# Altium PCB iWatch.PcbDoc
Units mil, origin at the board's own origin, x right, y up, seen from the top; angles counter-clockwise.
Board outline 1488.96 x 1437.01 mil, 2 copper layers (Top Layer, Bottom Layer), stack 42.17 mil thick; 57 components, 65 nets, 265 pads, 66 vias.
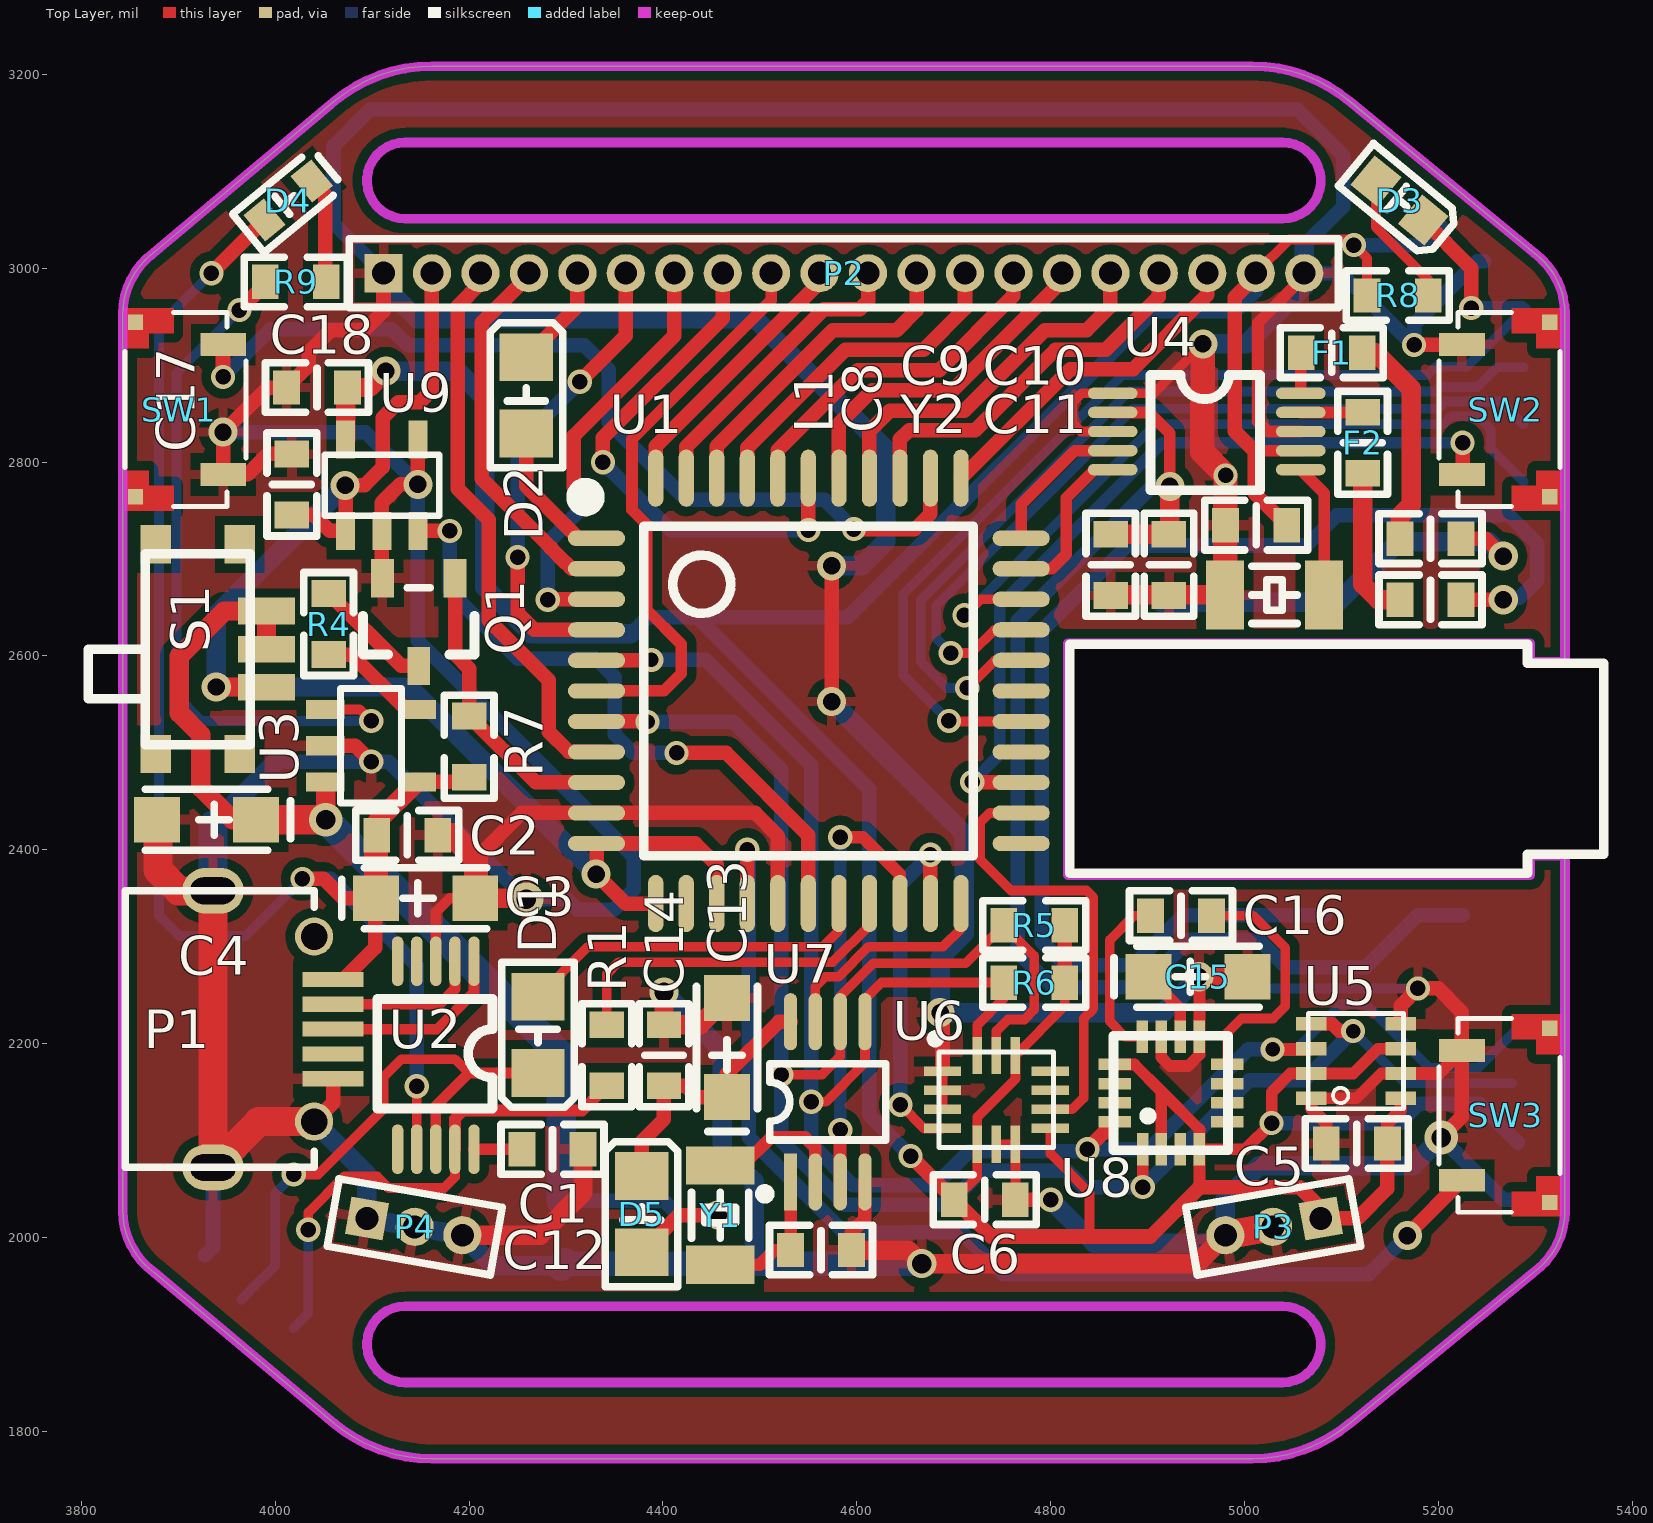
[diagram p0: Top Layer view]
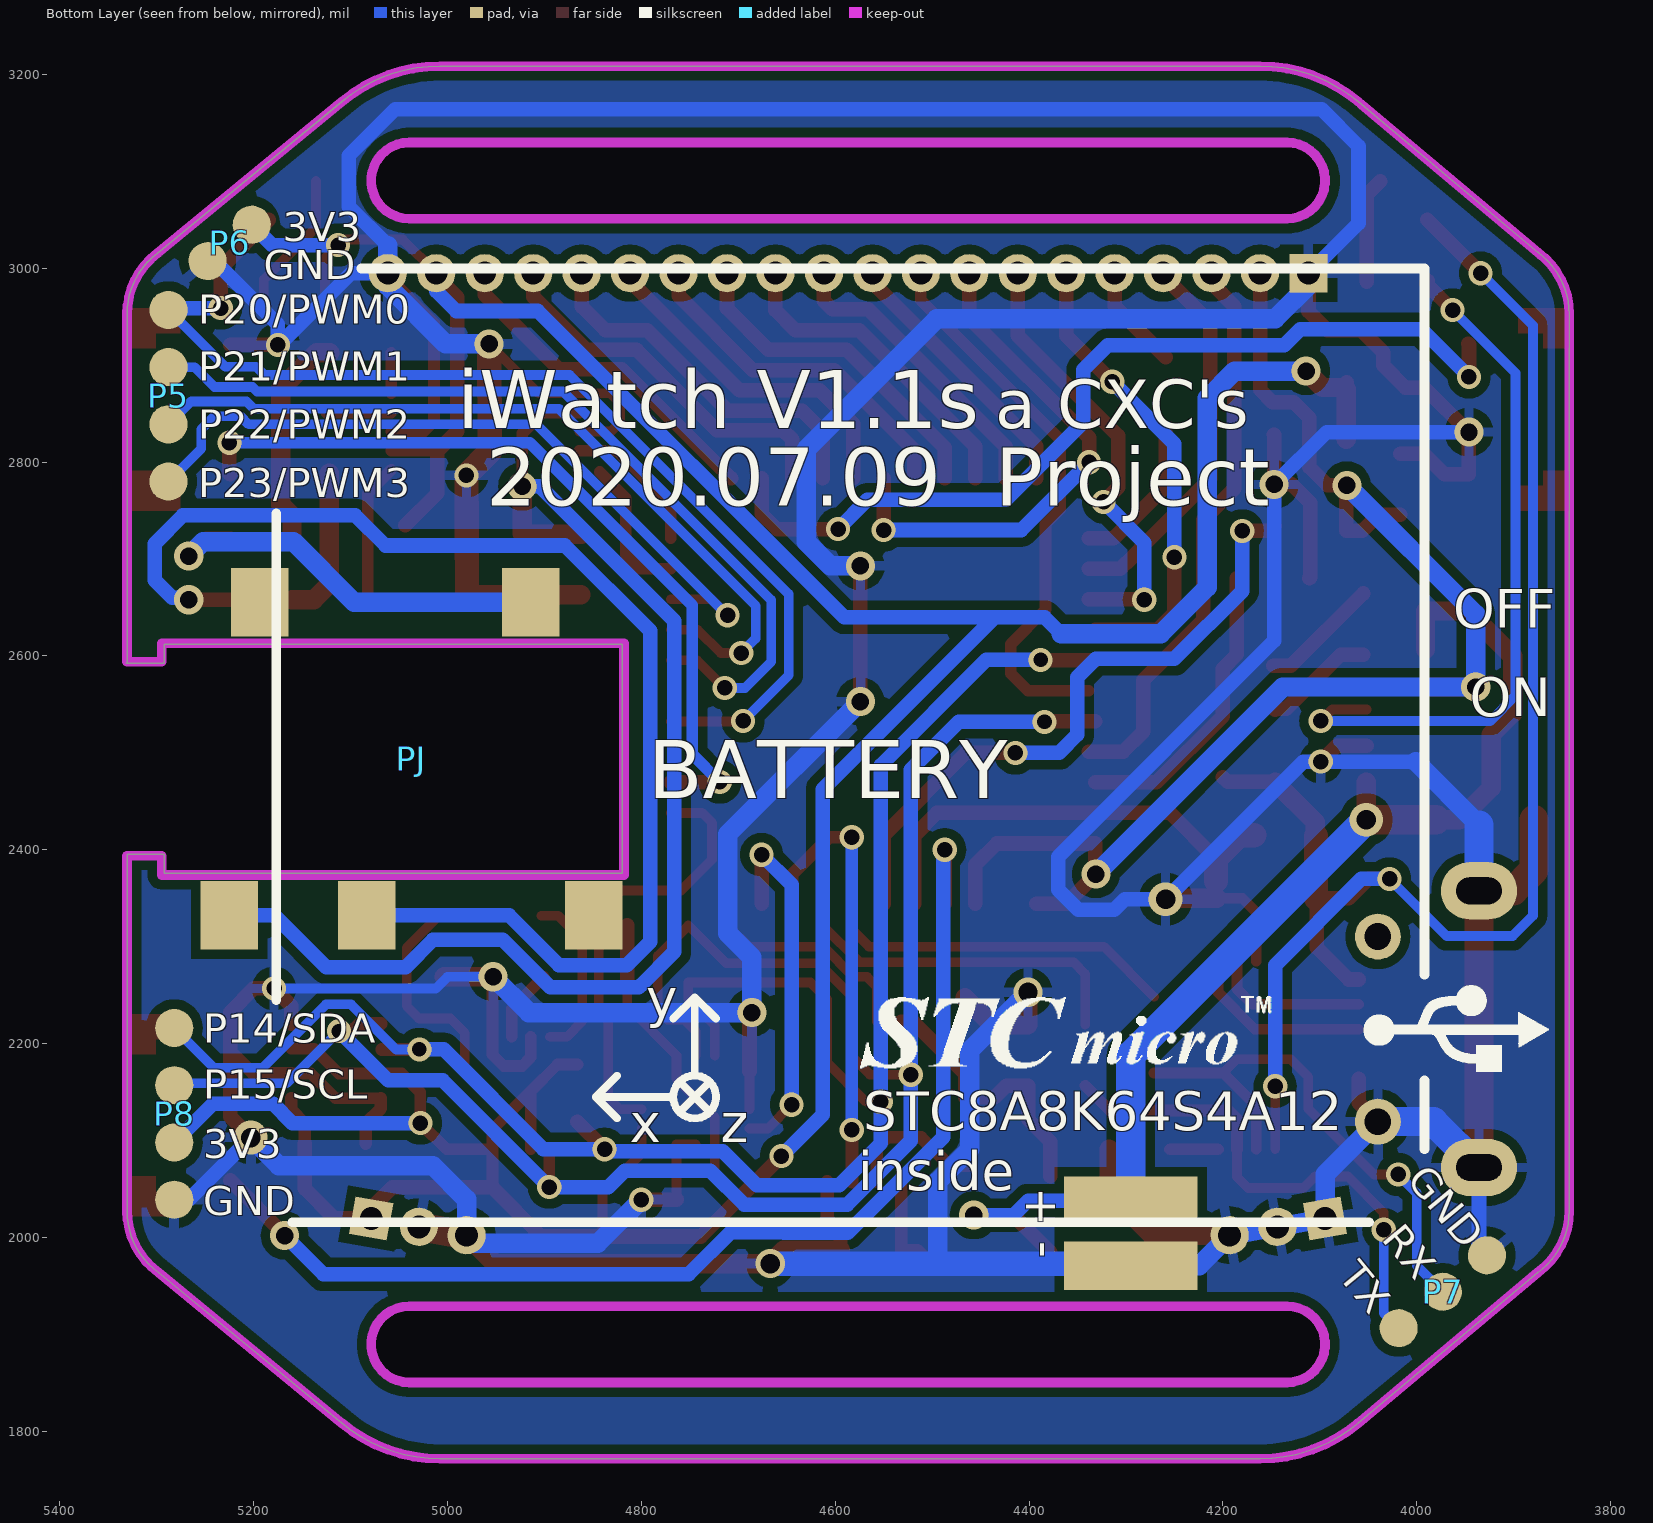
[diagram p1: Bottom Layer view, seen from below]
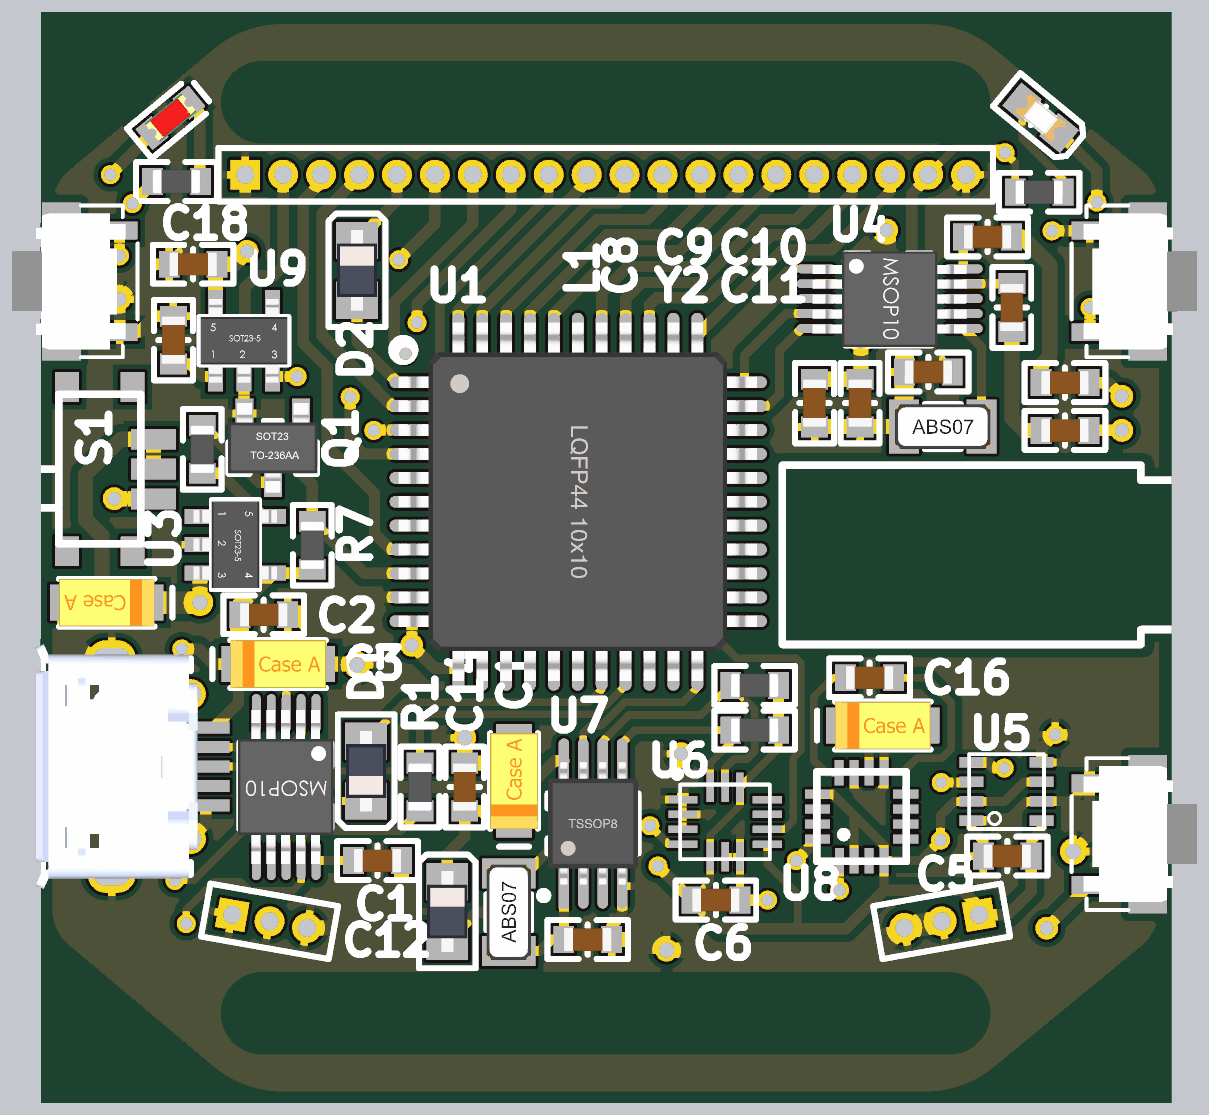
[diagram p2: 3D render of the assembled board from above, using the file's embedded part models]

## Layer stack, top to bottom
Top Solder: solder mask 0.4, Solder Resist, Dk 3.5
Top Layer: signal copper 1.4
Dielectric 1: dielectric 39.3701, FR-4, Dk 4.8
Bottom Layer: signal copper 1.4
Bottom Solder: solder mask 0.4, Solder Resist, Dk 3.5

## Board outline
3874.98,1963.86 4060.2,1808.5 4060.19,1808.5 ccw(c4161.42,1929.13) 4161.42,1771.65 5008,1771.65 5007.87,1771.65 ccw(c5007.87,1929.13) 5109.1,1808.5 5298.27,1963.86 5298.25,1963.86 ccw(c5251.97,2027.56) 5330.71,2027.56 5330.71,2395.57 5292.11,2395.57 5292.11,2375.89 4819.67,2375.89 4819.67,2612.11 5292.11,2612.11 5292.11,2592.43 5331.48,2592.43 5330.71,2593.2 5330.71,2952.76 ccw(c5251.97,2952.76) 5299.36,3015.64 5299.37,3015.63 5109.1,3171.82 ccw(c5007.87,3051.18) 5007.87,3208.66 4161.42,3208.66 ccw(c4161.42,3051.18) 4060.19,3171.82 3874.96,3016.46 3874.98,3016.46 ccw(c3921.26,2952.76) 3842.52,2952.76 3842.52,2027.56 ccw(c3921.26,2027.56)
cut-out: 4133.86,3051.18 cw(c4133.86,3090.55) 4133.86,3129.92 5039.37,3129.92 cw(c5039.37,3090.55) 5039.37,3051.18
cut-out: 4133.86,1850.39 cw(c4133.86,1889.76) 4133.86,1929.13 5039.37,1929.13 cw(c5039.37,1889.76) 5039.37,1850.39

## Design rules (kind name [scope] priority, off if disabled: settings)
Clearance [All] p1: gap=10 except(0: SMDPad-Region; 5: Track-Track Track-SMDPad SMDPad-SMDPad)
ComponentClearance [All] p1 off: gap=10 collisioncheckmode=3 verticalgap=10 showdistances=FALSE
PolygonConnect [All] p1: connectstyle=Relief reliefconductorwidth=10 reliefentries=4 polygonreliefangle="90 Angle" airgapwidth=10
RoutingVias [All] p1: holewidth=28 width=50 viastyle="Through Hole" minholewidth=28 minwidth=50 maxholewidth=28 maxwidth=50
SolderMaskExpansion [All] p1: expansion=4
Width [All] p1: maxlimit=30 minlimit=10 preferedwidth=15
29 further rules are at their usual default settings.

## Components (designator, comment, footprint, x,y, rotation, side; value= is the part's Value field where it differs from the comment)
C1 "0.1uF" C-0603-M 4286,2091 r0 top
C2 "0.1uF" C-0603-M 4136,2415 r0 top
C3 "47uF" C-钽电容-3216-N 4155,2350 r180 top
C4 "10uF" C-钽电容-3216-N 3929,2431 r0 top
C5 "0.1uF" C-0603-M 5116,2097 r180 top
C6 "0.1uF" C-0603-M 4732,2039 r0 top
C8 "22pF" C-0603-M 4922,2694 r270 top
C9 "22nF" C-0603-M 5012,2735 r180 top
C10 "22uF" C-0603-M 5192,2721 r180 top
C11 "22uF" C-0603-M 5192,2658 r180 top
C12 "15pF" C-0603-M 4563,1987 r0 top
C13 "1uF" C-钽电容-3216-N 4466,2196 r270 top
C14 "0.1uF" C-0603-M 4401,2188 r90 top
C15 "4.7uF" C-钽电容-3216-N 4952,2269 r180 top
C16 "0.22uF" C-0603-M 4934.5,2332 r0 top
C17 "1uF" C-0603-M 4017,2777 r90 top
C18 "1uF" C-0603-M 4043,2877 r180 top
D1 "1N4148" SOD-323/0805 4271,2209 r90 top
D2 "1N4148" SOD-323/0805 4259,2869 r270 top
D3 "LED" LED-0603-white-M 5160,3070 r140.5 top
D4 "LED" LED-0603-Red-N 4013.23,3070 r219.5 top
D5 "1N4148" SOD-323/0805 4378,2024 r270 top
F1 "600R@100MHz" C-0603-M 5090,2913 r0 top
F2 "600R@100MHz" C-0603-M 5122,2820 r270 top
L1 "100nH" C-0603-M 4862,2694 r90 top
P1 "MICRO USB" MICRO-USB-牛角插板-无卷边 4040,2215 r90 top
P2 "MHDR1X20" MHDR1X20 4111.61,2995 r0 top
P3 "MHDR1X3" MHDR1X3 5078.74,2019.68 r190 top
P4 "MHDR1X3" MHDR1X3 4094.49,2019.68 r350 top
P5 "MHDR1X4" "MHDR1X4 - SMT" 5288,2957.11 r270 bottom
P6 "MHDR1X2" "MHDR1X2 - SMT" 5247.57,3007.44 r140.5 bottom
P7 "MHDR1X3" "MHDR1X3 - SMT" 3927.43,1981.56 r320.5 bottom
P8 "MHDR1X4" "MHDR1X4 - SMT" 5282,2038.94 r90 bottom
PJ "Phonejack 327A" "PJ-327A - 嵌入" 5174,2494 r180 top
Q1 "NMOS" SOT-23 4148,2635 r90 top
R1 "0" R-0603-M 4342,2188 r90 top
R4 "2k" R-0603-M 4055,2633 r270 top
R5 "2k" R-0603-M 4783,2322 r0 top
R6 "2k" R-0603-M 4783,2263 r0 top
R7 "4.7k" R-0603-M 4200,2506.5 r270 top
R8 "330" R-0603-M 5158,2972 r180 top
R9 "1k" R-0603-M 4021,2986 r180 top
S1 "SS-12F23" MK-12C02 3920,2607 r270 top
SW1 "TSW" "SB-2*4*3.5 - no hole" 3895,2854.33 r90 top
SW2 "TSW" "SB-2*4*3.5 - no hole" 5275.59,2854.33 r270 top
SW3 "TSW" "SB-2*4*3.5 - no hole" 5275.59,2125.98 r270 top
U1 "STC8A8K64S4A12_LQFP44" "LQFP44 10X10_L" 4550,2564 r270 top
U2 "CH340E" MSOP10 4205,2285 r270 top
U3 "XT4054" SOT23-5 4051.51,2544.8 r270 top
U4 "RDA5807M" MSOP10 4864,2871 r0 top
U5 "BME280" LGA-8 5115,2182 r180 top
U6 "LSM6DSM" LGA-14L 4744,2142 r0 top
U7 "PCF8563" TSSOP8_M 4570,2140 r90 top
U8 "HMC5883L" HMC5883L 4924,2149 r90 top
U9 "TPS78233" SOT23-5 4072.6,2729 r0 top
Y1 "32.768khz" FC135 4459,2023 r90 top
Y2 "32.768khz" FC135 5031,2663 r0 top

## Footprints (in the part's own frame and the unit in brackets; to place one, negate y for a bottom-side part, rotate by r counter-clockwise, add the part's x,y. Pads: shape width x height; smd on the part's side, far side on the other; paste and mask are expansions set on the pad)
C-0603-M [mm]
  rect 0.7x0.9 smd: 1(-0.8,0) 2(0.8,0)
  silkscreen extent -1.35,-0.65 1.35,0.65, body extent -0.8,-0.4 0.8,0.4, height 0.6
C-钽电容-3216-N [mm]
  rect 1.2x1.2 smd: 1(1.3,0) 2(-1.3,0)
  silkscreen extent -1.6,-0.8 2.2,0.8, body extent -1.6,-0.8 1.6,0.8, height 1.61
FC135 [mm] "贴片晶振"
  rect 1x1.8 smd: 1(-1.3,0) 2(1.3,0)
  silkscreen extent -0.6,-0.75 0.6,0.75, body extent -1.61,-0.76 1.61,0.76, height 1.01
HMC5883L [mm] "高精度三轴磁力计"
  rect 0.85x0.3 smd: 1(-1.475,0.737) 2(-1.475,0.25) 3(-1.475,-0.25) 4(-1.475,-0.75) 9(1.475,-0.75) 10(1.475,-0.25) 11(1.475,0.25) 12(1.475,0.75)
  rect 0.3x0.85 smd: 5(-0.75,-1.475) 6(-0.25,-1.475) 7(0.25,-1.475) 8(0.75,-1.475) 13(0.75,1.475) 14(0.25,1.475) 15(-0.25,1.475) 16(-0.75,1.475)
  silkscreen extent -1.5,-1.5 1.5,1.5
LED-0603-Red-N [mm]
  rect 0.7x0.9 smd: 1(0.8,0) 2(-0.8,0)
  silkscreen extent -1.35,-0.65 1.35,0.65, body extent -0.81,-0.4 0.81,0.4, height 0.6
LED-0603-white-M [mm]
  rect 0.9x1 smd: 1(0.8,0) 2(-0.8,0)
  silkscreen extent -1.48,-0.72 1.48,0.72, body extent -0.8,-0.4 0.8,0.4, height 0.6
LGA-8 [mm] "2.5mm x 2.5mm x 0.93mm metal lid LGA"
  rect 0.8x0.35 smd: 1(1.175,0.975) 2(1.175,0.325) 3(1.175,-0.325) 4(1.175,-0.975) 5(-1.175,-0.975) 6(-1.175,-0.325) 7(-1.175,0.325) 8(-1.175,0.975)
  silkscreen extent -1.25,-1.25 1.25,1.25
LGA-14L [mm] "2.5mm x 3.0mm x 0.86mm"
  rect 0.975x0.25 smd: 1(-1.412,0.75) 2(-1.412,0.25) 3(-1.412,-0.25) 4(-1.412,-0.75) 8(1.412,-0.75) 9(1.412,-0.25) 10(1.412,0.25) 11(1.412,0.75)
  rect 0.25x0.975 smd: 5(-0.5,-1.163) 6(0,-1.163) 7(0.5,-1.163) 12(0.5,1.163) 13(0,1.163) 14(-0.5,1.163)
  silkscreen extent -1.7,-1.25 1.5,1.7
"LQFP44 10X10_L" [mm] "44脚，体宽10x10mm，脚距0.8mm"
  oval 0.4x1.5 smd: 1(-4,-5.551) 2(-3.2,-5.551) 3(-2.4,-5.551) 4(-1.6,-5.551) 5(-0.8,-5.551) 6(0,-5.551) 7(0.8,-5.551) 8(1.6,-5.551) 9(2.4,-5.551) 10(3.2,-5.551) 11(4,-5.551) 23(4,5.578) 24(3.2,5.578) 25(2.4,5.578) 26(1.6,5.578) 27(0.8,5.578) 28(0,5.578) 29(-0.8,5.578) 30(-1.6,5.578) 31(-2.4,5.578) 32(-3.2,5.578) 33(-4,5.578)
  oval 1.5x0.4 smd: 12(5.575,-4) 13(5.575,-3.2) 14(5.575,-2.4) 15(5.575,-1.6) 16(5.575,-0.8) 17(5.575,0) 18(5.575,0.8) 19(5.575,1.6) 20(5.575,2.4) 21(5.575,3.2) 22(5.575,4) 34(-5.575,4) 35(-5.575,3.2) 36(-5.575,2.4) 37(-5.575,1.6) 38(-5.575,0.8) 39(-5.575,0) 40(-5.575,-0.8) 41(-5.575,-1.6) 42(-5.575,-2.4) 43(-5.575,-3.2) 44(-5.575,-4)
  silkscreen extent -5.33,-6.09 4.32,4.32, body extent -6,-6 6,6, height 1.45
"MHDR1X2 - SMT" [mm] "Connector; Header; 2 Position"
  round 1 smd: 1(0,0) 2(1.5,0)
MHDR1X3 [mm] "Connector; Header; 3 Position"
  rect 1x1 hole 0.6: 1(0,0)
  round 1 hole 0.6: 2(1.27,0) 3(2.54,0)
  silkscreen extent -0.9,-0.9 3.44,0.9
"MHDR1X3 - SMT" [mm] "Connector; Header; 3 Position"
  round 1 smd: 1(0,0) 2(1.5,0) 3(3,0)
"MHDR1X4 - SMT" [mm] "Connector; Header; 4 Position"
  round 1 smd: 1(0,0) 2(1.5,0) 3(3,0) 4(4.5,0)
MHDR1X20 [mm] "Connector; Header; 20 Position"
  rect 1x1 hole 0.6: 1(0,0)
  round 1 hole 0.6: 2(1.27,0) 3(2.54,0) 4(3.81,0) 5(5.08,0) 6(6.35,0) 7(7.62,0) 8(8.89,0) 9(10.16,0) 10(11.43,0) 11(12.7,0) 12(13.97,0) 13(15.24,0) 14(16.51,0) 15(17.78,0) 16(19.05,0) 17(20.32,0) 18(21.59,0) 19(22.86,0) 20(24.13,0)
  silkscreen extent -0.9,-0.9 25.03,0.9
MICRO-USB-牛角插板-无卷边 [mm]
  rect 0.4x1.6 smd: 1(1.3,-0.5) 2(0.65,-0.5) 3(0,-0.5) 4(-0.65,-0.5) 5(-1.3,-0.5)
  oval 1.2x1.6 / inner oval 1.5x2 / far side oval 1.5x2 hole 0.7 slot 1.2 at 90 deg: 6(-3.625,2.65) 6(3.625,2.65)
  round 1 / inner round 1 / far side round 1.2 hole 0.7: 6(-2.425,0) 6(2.425,0)
  silkscreen extent -3.62,0 3.62,4.95, body extent -4.1,-0.23 4.1,5.2, height 2.68
MK-12C02 [mm] "七脚小拨动开关"
  rect 1x0.8 smd: 0(-2.75,1.1) 0(-2.75,-1.1) 0(2.75,1.1) 0(2.75,-1.1)
  rect 0.7x1.5 smd: 1(1,1.8) 2(0,1.8) 3(-1,1.8)
  silkscreen extent -2.5,-2.88 2.5,1.38
MSOP10 [mm] "VSOP8"
  oval 1.3x0.3 smd: 1(0,0) 2(0,-0.5) 3(0,-1) 4(0,-1.5) 5(0,-2) 6(4.928,-2) 7(4.928,-1.5) 8(4.928,-1) 9(4.928,-0.5) 10(4.928,0)
  silkscreen extent 0.99,-2.54 3.86,0.48, body extent -0.11,-2.62 5.04,0.58, height 1.09
"PJ-327A - 嵌入" [mm] "3.5mm贴片耳机插座"
  rect 1.5x1.8 smd far side: 2(6.6,-4.1) 3(-0.5,-4.1) 4(-1.3,4.1) 5(2.3,4.1) 6(8.25,4.1)
  silkscreen extent -5,-3 9,3
R-0603-M [mm]
  rect 0.7x0.9 smd: 1(-0.8,0) 2(0.8,0)
  silkscreen extent -1.35,-0.65 1.35,0.65, body extent -0.8,-0.4 0.8,0.4, height 0.38
"SB-2*4*3.5 - no hole" [mm] "贴片侧贴轻触开关"
  rect 0.4x0.4 smd: 0(-2.286,1) 0(2.286,1)
  rect 0.6x1.2 smd: 1(-1.7,-1.3) 2(1.7,-1.3)
  Top Layer region: -2.65,0 -2.65,1.3 -1.6,1.3 -1.6,0.65 -2,0.65 -2,0
  Top Layer region: 2.65,0 2.65,1.3 1.6,1.3 1.6,0.65 2,0.65 2,0
  silkscreen extent -2.54,-1.9 2.54,1.27, body extent -2.27,-1.5 2.27,2.29, height 1.8
SOD-323/0805 [mm]
  rect 1.25x1.4 smd: 1(1,0) 2(-1,0)
  silkscreen extent -1.9,-0.95 1.9,0.95, body extent -1.35,-0.68 1.35,0.67, height 0.79
SOT23-5 [mm]
  rect 0.5x1 smd: 1(0,0) 2(0.95,0) 3(1.9,0) 4(1.9,2.4) 5(0,2.4)
  silkscreen extent -0.55,0.4 2.45,2, body extent -0.5,-0.2 2.4,2.6, height 1.09
SOT-23 [mm]
  rect 1x0.6 smd: 1(1.15,-0.95) 2(1.15,0.95) 3(-1.15,0)
  silkscreen extent -0.85,-1.46 0.9,1.46, body extent -1.5,-1.5 1.5,1.5, height 1.3
TSSOP8_M [mm] "3*4.2*1mm（长宽高）"
  rect 1.5x0.35 smd: 1(-2.1,0.975)
  oval 1.5x0.35 smd: 2(-2.1,0.325) 3(-2.1,-0.325) 4(-2.1,-0.975) 5(2.1,-0.975) 6(2.1,-0.325) 7(2.1,0.325) 8(2.1,0.975)
  silkscreen extent -2.54,-1.52 1,1.78, body extent -2.05,-1.5 2.05,1.5, height 1.03

## Part data
C1 C2 C5 C6 C8 C9 C10 C11 C12 C14 C16 C17 C18: library part Cap, "陶瓷电容"
C3 C4 C13 C15: library part Cap2, "电解电容"
D1 D2 D5: "高速开关二极管"
D3 D4: "Typical RED, GREEN, YELLOW, AMBER GaAs LED"
F1 F2: library part Inductance2
L1: library part Inductance1
P1: library part MICRO_USB, "MICRO USB接口"
P2: "Header, 20-Pin"
P3 P4 P7: "Header, 3-Pin"
P5 P8: "Header, 4-Pin"
P6: "Header, 2-Pin"
Q1: "N沟道场效应管"
R1 R4 R5 R6 R7 R8 R9: library part Resistor, "Resistor"
S1: library part SSW-1P, "1路波动开关"
SW1 SW2 SW3: "3x6轻触开关"
U2: "USB转串口，免外部晶振，超小封装"
U3: "锂电池充电ic"
U4: "数字收音机芯片"
U5: "Combined humidity and pressure sensor"
U6: "always-on 3D accelerometer and 3D gyroscope"
U7: library part PCF8563TS, "Real-Time Clock and calendar"
U8: "高精度三轴磁力计"
U9: "LDO-3.3v"
Y1 Y2: library part XTAL, "Crystal Oscillator"

## Free pads (board coordinates)
  rect 137.8x50 smd far side: 2(4295,1971) 2(4295,2038)

## Via types
v1: diameter 25, hole 16, Top Layer to Bottom Layer, 41 vias
v2: diameter 30, hole 18, Top Layer to Bottom Layer, 16 vias
v3: diameter 25, hole 15, Top Layer to Bottom Layer, 4 vias
v4: diameter 35, hole 20, Top Layer to Bottom Layer, 3 vias
v5: diameter 30, hole 20, Top Layer to Bottom Layer, 2 vias

## Nets (pads, with @x,y where several pads share a name; then routed paths per layer and width w, separated by ;. In a path a pad name is that pad's centre, name@x,y a point inside that pad or via, vN(x,y) a via of type N, cw(c..) or ccw(c..) an arc to the next point about the centre after c; other vN are vias at no path point)
3V3: C5.1 C6.1 C9.1 C18.1 P2.19 P3.1 P6.2 P8.2 R5.2 R6.2 R8.2 U4.7 U5.2 U5.6 U5.8 U6.5 U6.8 U6.12 U8.2 U8.4 U8.13 U9.5 | length 4567.6
  Top Layer w10: C6.1 4724.31,2062.81 U6.5 4724.31,2124.32 4763.69,2163.68 U6.12 4814.5,2238.6 R6.2 ; U6.8 4799.59,2086.52 4840,2046.11 4840,2001 ; P2.19 5046.3,3029.69 5107.31,3029.69 v1(5113,3024) 5126.5,3010.5 R8.2
  Top Layer w12: U8.13 4886.47,2178.53 4914.16,2150.84 ; U8.2 4914.16,2150.84 ; 4953.53,2052.47 U8.4 ; 5010.06,2811.94 U4.7 ; U5.6 5137.8,2194.8 5112.2,2169.2 U5.2 5047.2,2169.2 5028,2150 v1(5028,2118) 5000.93,2090.93 U8.4 ; 4914.16,2150.84 4953.53,2111.47 U8.4
  Top Layer w13: C5.1 5147.5,2117.5 5161.26,2131.26 U5.8
  Top Layer w15: C18.1@4072,2882.5 C18.1@4072.6,2881.9 ; C18.1@4072.6,2875.1 C18.1 ; v1(4655.5,2084) C6.1 4738.5,2001 4840,2001 4903,2001 4954,2052 ; R6.2 R5.2 ; 4953.53,2052.47 4954,2052 ; P2.19@5010,2990 4990,2970 4990,2832 5010.06,2811.94 5010.79,2811.21 5010.79,2767.7 C9.1 ; P2.19 P2.19@5011.61,2997.59 ; P3.1 5116.69,2019.68 5147.5,2050.5 C5.1 ; P3.1@5078.74,2030.26 5057,2052 4954,2052
  Top Layer w20: U9.5 C18.1@4072.6,2875.1 ; C18.1 4097,2877 v2(4114,2894) ; P3.1 P3.1@5078.74,2030.26
  Bottom Layer w15: 4367,2623 4384,2640 4435.36,2640 ; v1(4655.5,2084) 4613,2126.5 4613,2462.36 4435.36,2640 ; P2.19 5011.61,2976.61 4991,2956 4906.85,2956 4590.85,2640 4435.36,2640 ; v1(5028,2118) 5160,2118 5180,2138 5242,2138 P8.2 ; v1(5113,3024) 5181,3024 P6.2
  Bottom Layer w20: v2(4114,2894) 4188,2894 4216,2866 4216,2671 4264,2623 4367,2623
3V3-EN: U1.17 U9.3 | length 674.6
  Top Layer w15: U9.3@4147,2734.4 U9.3@4147.4,2734 ; U9.3 v1(4180,2729) ; v1(4414,2500) 4465,2500 4550,2415 U1.17
  Bottom Layer w15: v1(4180,2729) 4180,2667 4250,2597 4331,2597 4350,2578 4350,2519 4369,2500 v1(4414,2500)
BUZZER: P2.18 U1.34 | length 354.9
  Top Layer w15: U1.34 4820.01,2896 4885,2896 4961.61,2972.61 P2.18
CHARGE-EN: Q1.1 R7.1 U1.9 | length 308.2
  Top Layer w15: Q1.1 4185.4,2601.6 4200,2587 R7.1 4268.49,2469.51 U1.9
D0: P2.17 U1.36 | length 392.5
  Top Layer w15: U1.36 4644.49,2823.49 4654,2833 4722,2833 4805,2916 4857,2916 4911.61,2970.61 P2.17
D1: P2.16 U1.37 | length 384.8
  Top Layer w15: U1.37 4612.99,2831.99 4634,2853 4711,2853 4794,2936 4837,2936 4861.61,2960.61 P2.16
D2: P2.15 U1.38 | length 355.5
  Top Layer w15: U1.38 4581.5,2839.5 4616,2874 4699,2874 4811.61,2986.61 P2.15
D3: P2.14 U1.40 | length 361.4
  Top Layer w15: U1.40 4518.5,2812.5 4601,2895 4685,2895 4761.61,2971.61 P2.14
D4: P2.13 U1.41 | length 352
  Top Layer w15: U1.41 4487.01,2815.01 4588,2916 4669,2916 4711.61,2958.61 P2.13
D5: P2.12 U1.42 | length 335.6
  Top Layer w15: U1.42 4455.51,2816.51 4575,2936 4641,2936 4661.61,2956.61 P2.12
D6: P2.11 U1.43 | length 310.9
  Top Layer w15: U1.43 4424.02,2816.02 4565.81,2957.81 4602.81,2957.81 4611.61,2966.61 P2.11
D7: P2.10 U1.44 | length 281.6
  Top Layer w15: U1.44 4392.52,2816.52 4561.61,2985.61 P2.10
D/C\: P2.7 U1.3 | length 461.2
  Top Layer w15: v1(4281,2658) 4281.49,2658.49 U1.3 U1.3@4338.46,2658.49 ; v1(4323,2759) 4308,2774 4308,2827 4411.61,2930.61 P2.7
  Bottom Layer w15: v1(4281,2658) 4281,2717 v1(4323,2759)
E/R\D\: P2.9 U1.6 | length 581.6
  Top Layer w12: U1.6@4338.46,2564 4401,2564 4419,2582 4419,2612 4383,2648 4383,2736 4368,2751 4368,2823.59 4511.61,2967.21 P2.9
E\N\: P2.3 U1.8 | length 586.9
  Top Layer w15: P2.3 4211.61,2984.61 4188,2961 4188,2772.64 4220,2740.64 4220,2637 4282,2575 4282,2522 4302.99,2501.01 U1.8 U1.8@4338.46,2501.01
GND: C1.2 C2.2 C3.2 C4.2 C5.2 C6.2 C8.2 C9.2 C12.2 C13.2 C14.2 C15.2 C17.2 C18.2 L1.1 P1.5 P1.6@3935.67,2072.28 P1.6@3935.67,2357.72 P1.6@4040,2119.53 P2.1 P2.20 P3.2 P3.3 P4.1 P4.2 P4.3 P6.1 P7.1 P8.1 pad.2@4295,1971 Q1.2 SW1.1 SW2.1 SW3.1 U1.10 U1.16 U2.3 U3.2 U4.1 U4.3 U4.8 U5.1 U5.5 U5.7 U6.1 U6.2 U6.3 U6.6 U6.7 U7.4 U8.9 U8.11 U9.2 U9.4 Y2.1 | length 11176.1
  Top Layer w10: U6.3 U6.2 U6.1 ; U6.6 U6.7 C6.2@4763.69,2039.19 ; U4.3 4831.37,2831.63 4822,2841 4822,2861 4832,2871 U4.1 4906,2871 v2(4957,2922)
  Top Layer w11: U2.3 4165.63,2335.63 4180,2350 C3.2
  Top Layer w12: U8.11 4914.16,2185.84 4923,2177 4942,2177 4953.53,2188.53 U8.9 v2@4953.53,2268.47 ; U4.8 5024.37,2831.63 5014,2842 5014,2944 P2.20@5063.31,2993.31 ; U5.1 5115.61,2143.61 5141.2,2169.2 U5.7
  Top Layer w13: U5.1 5068.74,2133.26 5084.5,2117.5 C5.2 ; U5.7 5200.7,2169.2 SW3.1
  Top Layer w14: C12.2 4594.5,2005.5 4608.39,2019.39 U7.4
  Top Layer w15: C17.2 3992.5,2808.5 3971.4,2787.4 SW1.1 3946.18,2830.82 v2(3946,2831) 3992,2877 C18.2 4034.5,2900 4034.5,2913.5 4057,2936 4092,2936 4111.61,2955.61 P2.1 ; P1.6@4040,2119.53 4059.68,2139.21 P1.5 ; U3.2 4082.6,2507.4 v1(4099,2491) ; Q1.2 4110,2680.87 U9.2 4110,2758 4129,2777 v2(4147,2777) 4147,2828.09 U9.4@4147.4,2828.49 ; 4207.18,2390.82 4254.38,2438.02 U1.10 4494.98,2438.02 4518.5,2414.5 U1.16 ; v4@4258,2350 v4(4259,2349) ; v2(4574,2553) v2(4574,2693) ; v2(4686,2232) 4688.41,2229.59 U6.1 ; C6.2@4763.69,2039.19 C6.2 v1(4800,2039) ; v2(4953,2269) v2@4953.53,2268.47 ; U5.5 5161.26,2239.26 v1(5179,2257) 5200,2257 5224.41,2232.59 5224.41,2124.41 v4(5203,2103) ; v1(5175,2921) 5175.26,2921.26 SW2.1
  Top Layer w20: P4.3 4273.32,2002.32 4317.5,2046.5 C1.2 ; C3.2 v4@4258,2350 ; v5(4401,2253) C14.2 4438.31,2219.5 C13.2 ; C12.2 4653,1987 v5(4667,1973) 4950.94,1973 P3.3 ; L1.1@4862.5,2663 Y2.1 ; v2(4953,2269) C15.2
  Top Layer w25: C2.2 4183,2415 4207.18,2390.82 C3.2@4207.18,2368 ; v2(4957,2922) 4956.37,2810.79 v1(4980.52,2786.36) 4980.23,2735 Y2.1
  Top Layer w30: C4.2@3878.82,2431 3878.82,2379.18 3900.28,2357.72 3935.67,2357.72 3935.67,2072.28 3982.91,2119.53 P1.6@4040,2119.53 ; P3.3 P3.2
  Bottom Layer w10: v2(4953,2269) 5000,2269 5012,2257 v1(5179,2257)
  Bottom Layer w15: P7.1 3935.67,1989.8 P1.6@3935.67,2072.28 ; v2(3946,2831) 4093,2831 v2(4147,2777) 4147,2616 4370,2393 4370,2359 4349,2338 4312,2338 4301,2349 v4(4259,2349) 4117,2491 v1(4099,2491) 4001,2491 ; P2.1 4060,3046.61 4060,3126 4098,3164 5054.17,3164 5101.77,3116.4 5101.77,3063.77 5061.61,3023.61 ; pad.2@4299,1974 pad.2@4300,1973 ; P2.20 5099.57,2995 5173.57,2921 v1(5175,2921) 5175,2942.43 5240.01,3007.44 P6.1 ; v4(5203,2103) 5267.06,2038.94 P8.1
  Bottom Layer w20: 3935.67,2425.67 4001,2491 ; P1.6@4040,2119.53 4094.49,2065.04 P4.1 P4.2 P4.3 4224.29,1971 pad.2@4295,1971 ; P2.1 4111.61,2982.39 4146,2948 4495,2948 4630,2813 4630,2718.04 4604.96,2693 v2(4574,2693) ; v5(4401,2253) 4461.13,2192.87 4461.13,2090.87 4494,2058 4494,1973 ; v2(4574,2553) 4711,2416 4711,2314 4686,2289 v2(4686,2232) 4916,2232 v2(4953,2269) ; v1(4800,2039) 4845,1994 4971.94,1994 P3.3 4980.26,2039.26 5015,2074 5174,2074 v4(5203,2103) ; v2(4957,2922) 5002,2922 5061.61,2981.61 P2.20 5061.61,3023.61
  Bottom Layer w25: pad.2@4300,1973 v5(4667,1973)
  Bottom Layer w30: P1.6@3935.67,2072.28 3982.91,2119.53 P1.6@4040,2119.53 ; P1.6@3935.67,2357.72 3935.67,2425.67 ; pad.2@4295,1970 pad.2@4299,1974
INT0: U1.20 U7.3 | length 463.2
  Top Layer w13: v1(4583,2413) 4606,2413 4644.49,2374.51 U1.20
  Top Layer w13.5: U7.3 v1@4582.8,2110.8
  Top Layer w15: v1@4582.8,2110.8 v1(4583,2111)
  Bottom Layer w13: v1(4583,2111) v1(4583,2413)
INT1: U1.21 U6.4 | length 374.9
  Top Layer w10: v1(4645,2137) 4669.53,2112.47 U6.4
  Top Layer w15: U1.21 v1(4676,2395)
  Bottom Layer w15: v1(4645,2137) 4645,2364 v1(4676,2395)
INT2: U1.24 U6.9 | length 468.4
  Top Layer w10: U1.24 4737.02,2438.02 4727,2428 4727,2390 4759,2358 4837,2358 4844,2351 4844,2236 4834,2226 4834,2144 4822.16,2132.16 U6.9
KEY1: SW1.2 U1.35 | length 945.1
  Top Layer w15: v1(3946,2888) 3946,2921.08 SW1.2@3947,2922.08 ; v1(4597,2731) 4660,2731 4675.98,2746.98 U1.35
  Bottom Layer w15: v1(3946,2888) 3995,2937 4120,2937 4136.5,2920.5 4318.93,2920.5 4344,2895.43 4344,2841 4424,2761 4567,2761 v1(4597,2731)
KEY2: SW2.2 U1.25 | length 824.8
  Top Layer w15: v1(4719,2470) 4719.49,2469.51 U1.25 ; SW2.2 5225,2787.99 v1(5225,2820)
  Bottom Layer w12: v1(4719,2470) 4747.5,2498.5 4747.5,2652.5 4915,2820 v1(5225,2820)
KEY3: SW3.2 U1.15 | length 1187.9
  Top Layer w15: U1.15 v1(4487,2400) ; v2@5167.68,2002.32 SW3.2
  Bottom Layer w15: v1(4487,2400) 4488.63,2398.37 4488.63,2103.37 4587,2005 4653.04,2005 4653.54,2005.5 4707.86,2005.5 4751.36,1962 5128,1962 v2(5168,2002)
LED1: D3.2 P5.1 U1.27 | length 1156
  Top Layer w10: v1@4695.5,2532.5 U1.27
  Top Layer w15: v1(4695,2533) v1@4695.5,2532.5 ; D3.2 5234,3000.27 v1(5234,2959)
  Bottom Layer w10: v1(4695,2533) 4648,2580 4648,2664 4874,2890 5189,2890 5197.5,2898.5 5229.39,2898.5 P5.1
  Bottom Layer w15: v1@4692,2533 v1(4695,2533) ; v1(5234,2959) 5286.11,2959 P5.1
NetC1_1: C1.1 U2.10 | length 49.5
  Top Layer w12: U2.10 C1.1
NetC8_1: C8.1 L1.2 PJ.4 U4.2 | length 1314.1
  Top Layer w12: U4.2 4901.69,2851.31 4923,2830 v2(4923,2775) ; C8.1 C8.1@4923,2726.5
  Top Layer w20: L1.2 C8.1 ; C8.1@4923,2726.5 v2(4923,2775)
  Bottom Layer w15: 4800.35,2260.29 4766,2294.64 4766,2636.36 4904.64,2775 v2(4923,2775) ; 4802.64,2258 4894,2258 4943,2307 5015,2307 5043,2279 5125,2279 5178.58,2332.58 PJ.4
NetC10_1: C10.1 PJ.2 | length 435.9
  Top Layer w15: C10.1 5249,2721 v2(5267,2703)
  Bottom Layer w20: PJ.2 5096.42,2655.42 5159,2718 5252,2718 v2(5267,2703)
NetC10_2: C10.2 F1.2 | length 225.6
  Top Layer w20: F1.2 5135,2913 5172,2876 5172,2756 5160.5,2744.5 C10.2
NetC11_1: C11.1 PJ.5 | length 1338
  Top Layer w15: C11.1 v2(5267,2658)
  Bottom Layer w15: PJ.5 4936.58,2332.58 4885,2281 4815,2281 4791,2305 4791,2626 4879,2714 5064,2714 5095,2745 5273,2745 5302,2716 5302,2678 5284,2660 v2@5270,2660
NetC11_2: C11.2 F2.2 | length 159.6
  Top Layer w20: F2.2 5122,2674 5138,2658 C11.2
NetC12_1: C12.1 U7.1 Y1.1 | length 145.2
  Top Layer w13: Y1.1@4463,1971.82 4499.82,1971.82 4515,1987 C12.1 4531.61,1987.11 U7.1
NetC13_1: C13.1 C14.1 D5.2 U7.8 | length 284.5
  Top Layer w15: D5.2 4378,2099 4401,2122 C14.1 4423.5,2156.5 4435.18,2144.82 C13.1 4466,2169 4519.68,2222.68 U7.8
NetC15_1: C15.1 U8.10 | length 75.6
  Top Layer w12: C15.1 4933.84,2235.98 U8.10
NetC16_1: C16.1 U8.12 | length 176.4
  Top Layer w10: U8.12 4876.93,2207.07 4861,2223 4861,2307 4886,2332 C16.1
NetC16_2: C16.2 U8.8 | length 254
  Top Layer w10: C16.2 5009,2332 5042,2299 5042,2238.46 5029.54,2226 4997,2226 4982.07,2211.07 U8.8
NetD2_2: D2.2 P2.5 | length 108.4
  Top Layer w15: D2.2 4311.61,2960.98 P2.5
NetD3_1: D3.1 R8.1 | length 140.3
  Top Layer w10: D3.1 5135.7,3042.3 5189.5,2988.5 R8.1
NetD4_2: D4.2 R9.1 | length 109.8
  Top Layer w15: D4.2 4051.5,3076.07 R9.1@4051.5,2986
NetF1_1: F1.1 U4.10 | length 42
  Top Layer w12: U4.10 F1.1@5058,2913
NetF2_1: F2.1 U4.9 | length 66.8
  Top Layer w12: U4.9 F2.1@5124.82,2851.31
NetP1_2: P1.2 U2.2 | length 160.8
  Top Layer w11: P1.2 4169.59,2240.59 4185.31,2256.31 U2.2
NetP1_3: P1.3 U2.1 | length 193.1
  Top Layer w11: P1.3 4167,2215 4205,2253 U2.1
NetQ1_3: Q1.3 R4.1 | length 124
  Top Layer w15: R4.1 4129.77,2589.72 Q1.3
NetR4_2: R4.2 U3.5 | length 114.5
  Top Layer w15: R4.2 4078.5,2601.5 4134.5,2545.5 4145.3,2545.5 U3.5
NetR9_2: R9.2 U3.1 | length 730.5
  Top Layer w10: U3.1 4087.2,2544.8 v1(4099,2533)
  Top Layer w15: v1(3963,2957) 3989.5,2983.5 R9.2 R9.2@3988.5,2987
  Bottom Layer w10: v1(3963,2957) 3898,2892 3898,2559 3924,2533 v1(4099,2533)
NetU4_6: U4.6 Y2.2 | length 139.3
  Top Layer w12: U4.6 5082.18,2768.08 Y2.2
NetU7_2: U7.2 Y1.2 | length 150.1
  Top Layer w13: Y1.2 4482.18,2074.18 4511.35,2103.35 4546.65,2103.35 4557.2,2092.8 U7.2
P21: P5.2 U1.29 | length 912
  Top Layer w10: v1(4714,2567) 4742.5,2595.5 U1.29
  Bottom Layer w10: v1(4714,2567) 4693,2567 4666,2594 4666,2658 4881,2873 5196.68,2873 5201.18,2877.5 5240.5,2877.5 5261.06,2898.06 P5.2
P22: P5.3 U1.30 | length 840.7
  Top Layer w10: v1(4697,2603) 4718,2603 4741.99,2626.99 U1.30
  Bottom Layer w10: v1(4697,2603) 4682,2618 4682,2652 4885,2855 5199.9,2855 5207.4,2862.5 5264.5,2862.5 P5.3
P23: P5.4 U1.31 | length 767.3
  Top Layer w10: v1(4711,2642) 4727.49,2658.49 U1.31
  Bottom Layer w10: v1(4711,2642) 4908,2839 5205.11,2839 5213.61,2847.5 5240.5,2847.5 5254,2834 5254,2813.94 P5.4
R/W\: P2.8 U1.39 | length 540.7
  Top Layer w15: v1(4338,2800) 4338,2825 4461.61,2948.61 P2.8 ; v1(4550,2730) U1.39
  Bottom Layer w15: v1(4338,2800) 4408,2730 v1(4550,2730)
R\E\S\: P2.6 U1.4 | length 485.6
  Top Layer w15: v1(4250,2702) 4250,2644.28 4267.29,2626.99 U1.4 ; v1(4314,2883) 4361.61,2930.61 P2.6
  Bottom Layer w15: v1(4250,2702) 4250,2819 v1(4314,2883)
RX: D1.2 P7.2 U2.8 | length 570.7
  Top Layer w10: v1(4019,2065) 4044,2065 4112,2133 4112,2166 4130,2184 4185.26,2184 4199.63,2169.63
  Top Layer w11: U2.8 4165.63,2135.63 4199.63,2169.63 D1.2
  Bottom Layer w10: P7.2@3965,1936 P7.2 4000,1971 4000,2046 v1(4019,2065)
RXD: D1.1 U1.18 | length 366.7
  Top Layer w10: D1.1 4322.63,2300 4565,2300 4581.5,2316.5 U1.18
RXD2: D2.1 U1.1 | length 156.3
  Top Layer w15: D2.1 4259,2775 4312.52,2721.48 U1.1 U1.1@4338.46,2721.48
SCL: P8.3 R5.1 U1.7 U5.4 U6.13 U7.6 U8.1 | length 2074.1
  Top Layer w10: v1(4522,2168) 4564,2168 4582.8,2186.8 U7.6 4582.8,2248.61 4617.19,2283 4712.5,2283 R5.1 4783,2290.5 4783,2235 4773,2225 4756,2225 4744,2213 U6.13
  Top Layer w12: v1(4895,2052) U8.1
  Top Layer w14: U5.4 5090.61,2220.39 5098,2213 v3(5112,2213)
  Top Layer w15: U1.7 4383.5,2532.5 v3(4384,2532)
  Bottom Layer w10: v3(5112,2213) 5166,2159 P8.3@5276,2159
  Bottom Layer w15: v3(4384,2532) 4472.64,2532 4522,2482.64 v1(4522,2168) 4522,2099.72 4587.72,2034 4694,2034 4729,2069 4817,2069 4834,2052 v1(4895,2052) 5005,2162 5061,2162 v3(5112,2213)
SCL2: U1.33 U4.4 | length 152.4
  Top Layer w12: U1.33 4769.6,2756.6 4824.94,2811.94 U4.4
SDA: P8.4 R6.1 U1.5 U5.3 U6.14 U7.5 U8.16 | length 1978.4
  Top Layer w10: v1(4553,2140) 4568,2140 4608.39,2180.39 U7.5 4608.39,2245.92 4625.47,2263 R6.1 4751.5,2246.5 4724.31,2219.32 U6.14
  Top Layer w13: v3(5029,2194) U5.3@5067.94,2194
  Top Layer w15: U1.5 4387.5,2595.5 v3(4388,2596) ; v1(4838,2091) 4838,2091.54 U8.16
  Bottom Layer w10: v3(5029,2194) 5053,2194 5099.5,2240.5 5125.5,2240.5 5191,2175 5240.89,2175 P8.4
  Bottom Layer w15: v3(4388,2596) 4444,2596 4553,2487 v1(4553,2140) 4553,2097 4596,2054 4681,2054 4716,2089 4836,2089 v1(4838,2091) 4901,2091 5004,2194 v3(5029,2194)
SDA2: U1.32 U4.5 | length 148.5
  Top Layer w12: U1.32 4800.98,2689.98 4816,2705 4816,2763 U4.5@4842.79,2789.79
T0: U1.22 U7.7 | length 237.4
  Top Layer w10: U7.7 4557.2,2259.2 4567,2269 4581.18,2269 4612.18,2300 4689,2300 4707.48,2318.48 U1.22
TX: P7.3 R1.1 U2.9 | length 533.1
  Top Layer w10: v1(4034,2008) 4034,2026 4071,2063 4105,2063 4117,2051 4174,2051 4185.31,2062.31 U2.9
  Top Layer w12: U2.9 4185.31,2122.31 4194,2131 4316.5,2131 R1.1
  Bottom Layer w10: P7.3 4034,1921.87 v1(4034,2008)
TXD: R1.2 U1.19 | length 366.7
  Top Layer w10: R1.2 4342,2272 4354,2284 4574.97,2284 4612.99,2322.02 U1.19@4612.99,2322.99
  Top Layer w12: U1.19@4612.99,2322.99 U1.19
TXD2: P2.4 U1.2 | length 396.5
  Top Layer w15: P2.4 4261.61,2992.41 4213,2943.8 4213,2783 4284.44,2711.56 4284.44,2710.97 4299.3,2696.11 4299.89,2696.11 4306.02,2689.98 U1.2 U1.2@4338.46,2689.98
VBAT: C4.1 D5.1 pad.2@4295,2038 S1.2 S1.3 U3.3 | length 1232
  Top Layer w15: D5.1 4416.37,2023 v2(4457,2023)
  Top Layer w20: C4.1 3956,2431 3923,2464 3923,2519 3901,2541 3901,2600 3947.37,2646.37 S1.3 S1.2 ; v4(4052,2431) U3.3@4052,2470
  Top Layer w30: C4.1 v4(4052,2431)
  Bottom Layer w15: pad.2@4295,2038 4401,2038 4416,2023 v2(4457,2023)
  Bottom Layer w30: v4(4052,2431) 4295,2188 pad.2@4295,2038
VCC: C2.1 C3.1 D4.1 P1.1 R7.2 U2.7 U3.4 | length 1675
  Top Layer w10: U2.7 v1@4145.94,2155.94
  Top Layer w15: v1(3934,2995.04) D4.1 ; v1(4028,2370) 4050,2370 4070,2350 C3.1 4102.85,2349.04 4102.85,2298.85 4070.18,2266.18 P1.1 ; C2.1@4103.82,2414.31 C2.1 ; v1@4145.94,2155.94 v1(4146,2156) ; U3.4 4194.99,2470 R7.2
  Top Layer w20: C2.1 4104.5,2428.5 U3.4
  Top Layer w25: C3.1 C2.1@4103.82,2414.31
  Bottom Layer w10: v1(3934,2995.04) 3880,2941.04 3880,2332 3901,2311 3969,2311 v1(4028,2370)
  Bottom Layer w15: v1(4028,2370) 4057,2370 4146,2281 v1(4146,2156)
VDD: C17.1 P2.2 S1.1 U1.11 U1.12 U1.14 U9.1 | length 1454.8
  Top Layer w15: S1.1@3990.5,2568 S1.1 ; C17.1 4039.5,2745.5 4056,2729 U9.1 v2@4072.6,2775.6 ; v2@4073,2776 4092,2776 4111,2795 4111,2846 4127,2862 4149,2862 4161.61,2874.61 P2.2 ; U1.12 4361.47,2344.53 v2(4331,2375) 4331.46,2375.46 U1.11 4433.48,2406.52 4455.51,2384.49 U1.14
  Top Layer w20: v2(3939,2568) S1.1@3990.5,2568
  Bottom Layer w20: v2(4072,2776) 3939,2643 v2(3939,2568) 4138,2568 v2(4331,2375)
pads on no net: P1.4 P1.6@4040,2310.47 PJ.3 PJ.6 S1.0 SW1.0 SW2.0 SW3.0 U1.13 U1.23 U1.26 U1.28 U2.4 U2.5 U2.6 U6.10 U6.11 U8.3 U8.5 U8.6 U8.7 U8.14 U8.15

## Polygon pours and split planes (outlines as drawn)
GND on Bottom Layer "Bottom Overlay-No Net" (solid, remove dead copper, pour order 8): 3691,3404 3710,3385 3710,1637 5522,1637 5534,1649 5523,1660 5523,3401
GND on Top Layer "Bottom Overlay-No Net" (solid, remove dead copper, pour order 6): 3727,3297 3727,1661 3724,1658 5385,1658 5385,3261 5373,3273

## Keep-outs
Keep-Out Layer:
  lines w10: 3871.6,3013.64 4056.83,3169 ; 3874.98,3016.46 ccw(c3921.26,2952.76) 3842.52,2952.76 3842.52,2027.56 ccw(c3921.25,2027.55) 3874.97,1963.85 4060.19,1808.5 ccw(c4161.42,1929.13) 4161.42,1771.65 5008,1771.65 ; 4060.19,3171.82 cw(c4161.42,3051.18) 4161.42,3208.66 5007.87,3208.66 cw(c5007.87,3051.18) 5109.1,3171.82 5299.37,3015.63 cw(c5251.97,2952.76) 5330.71,2952.76 5330.71,2594 5295,2594 5295,2613 4818,2613 4818,2374 5295,2374 5295,2394 5330.71,2394 5330.71,2027.56 cw(c5251.97,2027.56) 5298.25,1963.86 5109.1,1808.5 cw(c5007.87,1929.13) 5007.87,1771.65 ; 4133.86,1850.39 cw(c4133.86,1889.76) 4133.86,1929.13 5039.37,1929.13 cw(c5039.37,1889.76) 5039.37,1850.39 4133.86,1850.39 ; 4133.86,3051.18 cw(c4133.86,3090.55) 4133.86,3129.92 5039.37,3129.92 cw(c5039.37,3090.55) 5039.37,3051.18 4133.86,3051.18

## Silkscreen, mask and mechanical layers (free items; w line width, h text height)
Bottom Overlay:
  drawing of 1196 lines, arcs and shapes, not listed
  text "3V3" at 5170,3028 h30
  text "GND" at 5189.5,2988.5 h30
  text "P20/PWM0" at 5257,2943 h30
  text "P21/PWM1" at 5257,2884 h30
  text "a CXC's" at 4435,2835 h50
  text "iWatch V1.1s" at 4990,2835 h60
  text "P22/PWM2" at 5257,2824 h30
  text "P23/PWM3" at 5257,2764 h30
  text "Project" at 4435,2755 h60
  text "2020.07.09" at 4960,2755 h60
  text "OFF" at 3962,2629 h40
  text "ON" at 3945,2538 h40
  text "BATTERY" at 4793,2453 h60
  text "y" at 4795,2227 h40
  text "P14/SDA" at 5252,2201 h30
  text "P15/SCL" at 5252,2143 h30
  text "STC8A8K64S4A12" at 4571.22,2110.56 h40
  text "z" at 4718,2098 h40
  text "x" at 4812,2098 h40
  text "3V3" at 5252,2082 h30
  text "GND" at 4011,2059 h30 r50.5
  text "+ -" at 4373,2052 h35 r270
  text "inside" at 4576.22,2048.56 h40
  text "GND" at 5252,2023 h30
  text "RX" at 4037,1998 h30 r50.5
  text "TX" at 4082,1960 h30 r50.5
Mechanical 1:
  lines w10: 3874.96,3016.46 4060.19,3171.82 cw(c4161.42,3051.18) 4161.42,3208.66 5007.87,3208.66 cw(c5007.87,3051.18) 5109.1,3171.82 5299.37,3015.63 cw(c5251.97,2952.76) 5330.71,2952.76 5330.71,2594 5295,2594 5295,2613 4818,2613 4818,2374 5295,2374 5295,2394 5330.71,2394 5330.71,2027.56 cw(c5251.97,2027.56) 5298.25,1963.86 5109.1,1808.5 cw(c5007.87,1929.13) 5007.87,1771.65 4161.42,1771.65 cw(c4161.42,1929.13) 4060.19,1808.5 3874.98,1963.86 cw(c3921.26,2027.56) 3842.52,2027.56 3842.52,2952.76 cw(c3921.26,2952.76) 3874.98,3016.46 ; 4133.86,3051.18 cw(c4133.86,3090.55) 4133.86,3129.92 5039.37,3129.92 cw(c5039.37,3090.55) 5039.37,3051.18 4134,3051.18 ; 4133.86,1850.39 cw(c4133.86,1889.76) 4133.86,1929.13 5039.37,1929.13 cw(c5039.37,1889.76) 5039.37,1850.39 4133.86,1850.39